# Altium PCB H-00488.PcbDoc (part 6 of 9)
Units mm, origin at the board's own origin, x right, y up, seen from the top; angles counter-clockwise.
Board outline 141.5 x 129 mm, 4 copper layers (Top Layer, Ground Plane, Power Plane, Bottom Layer), stack 1.536 mm thick; 527 components, 572 nets, 2185 pads, 1060 vias.
Unrouted connection lines stored in the file: 97.
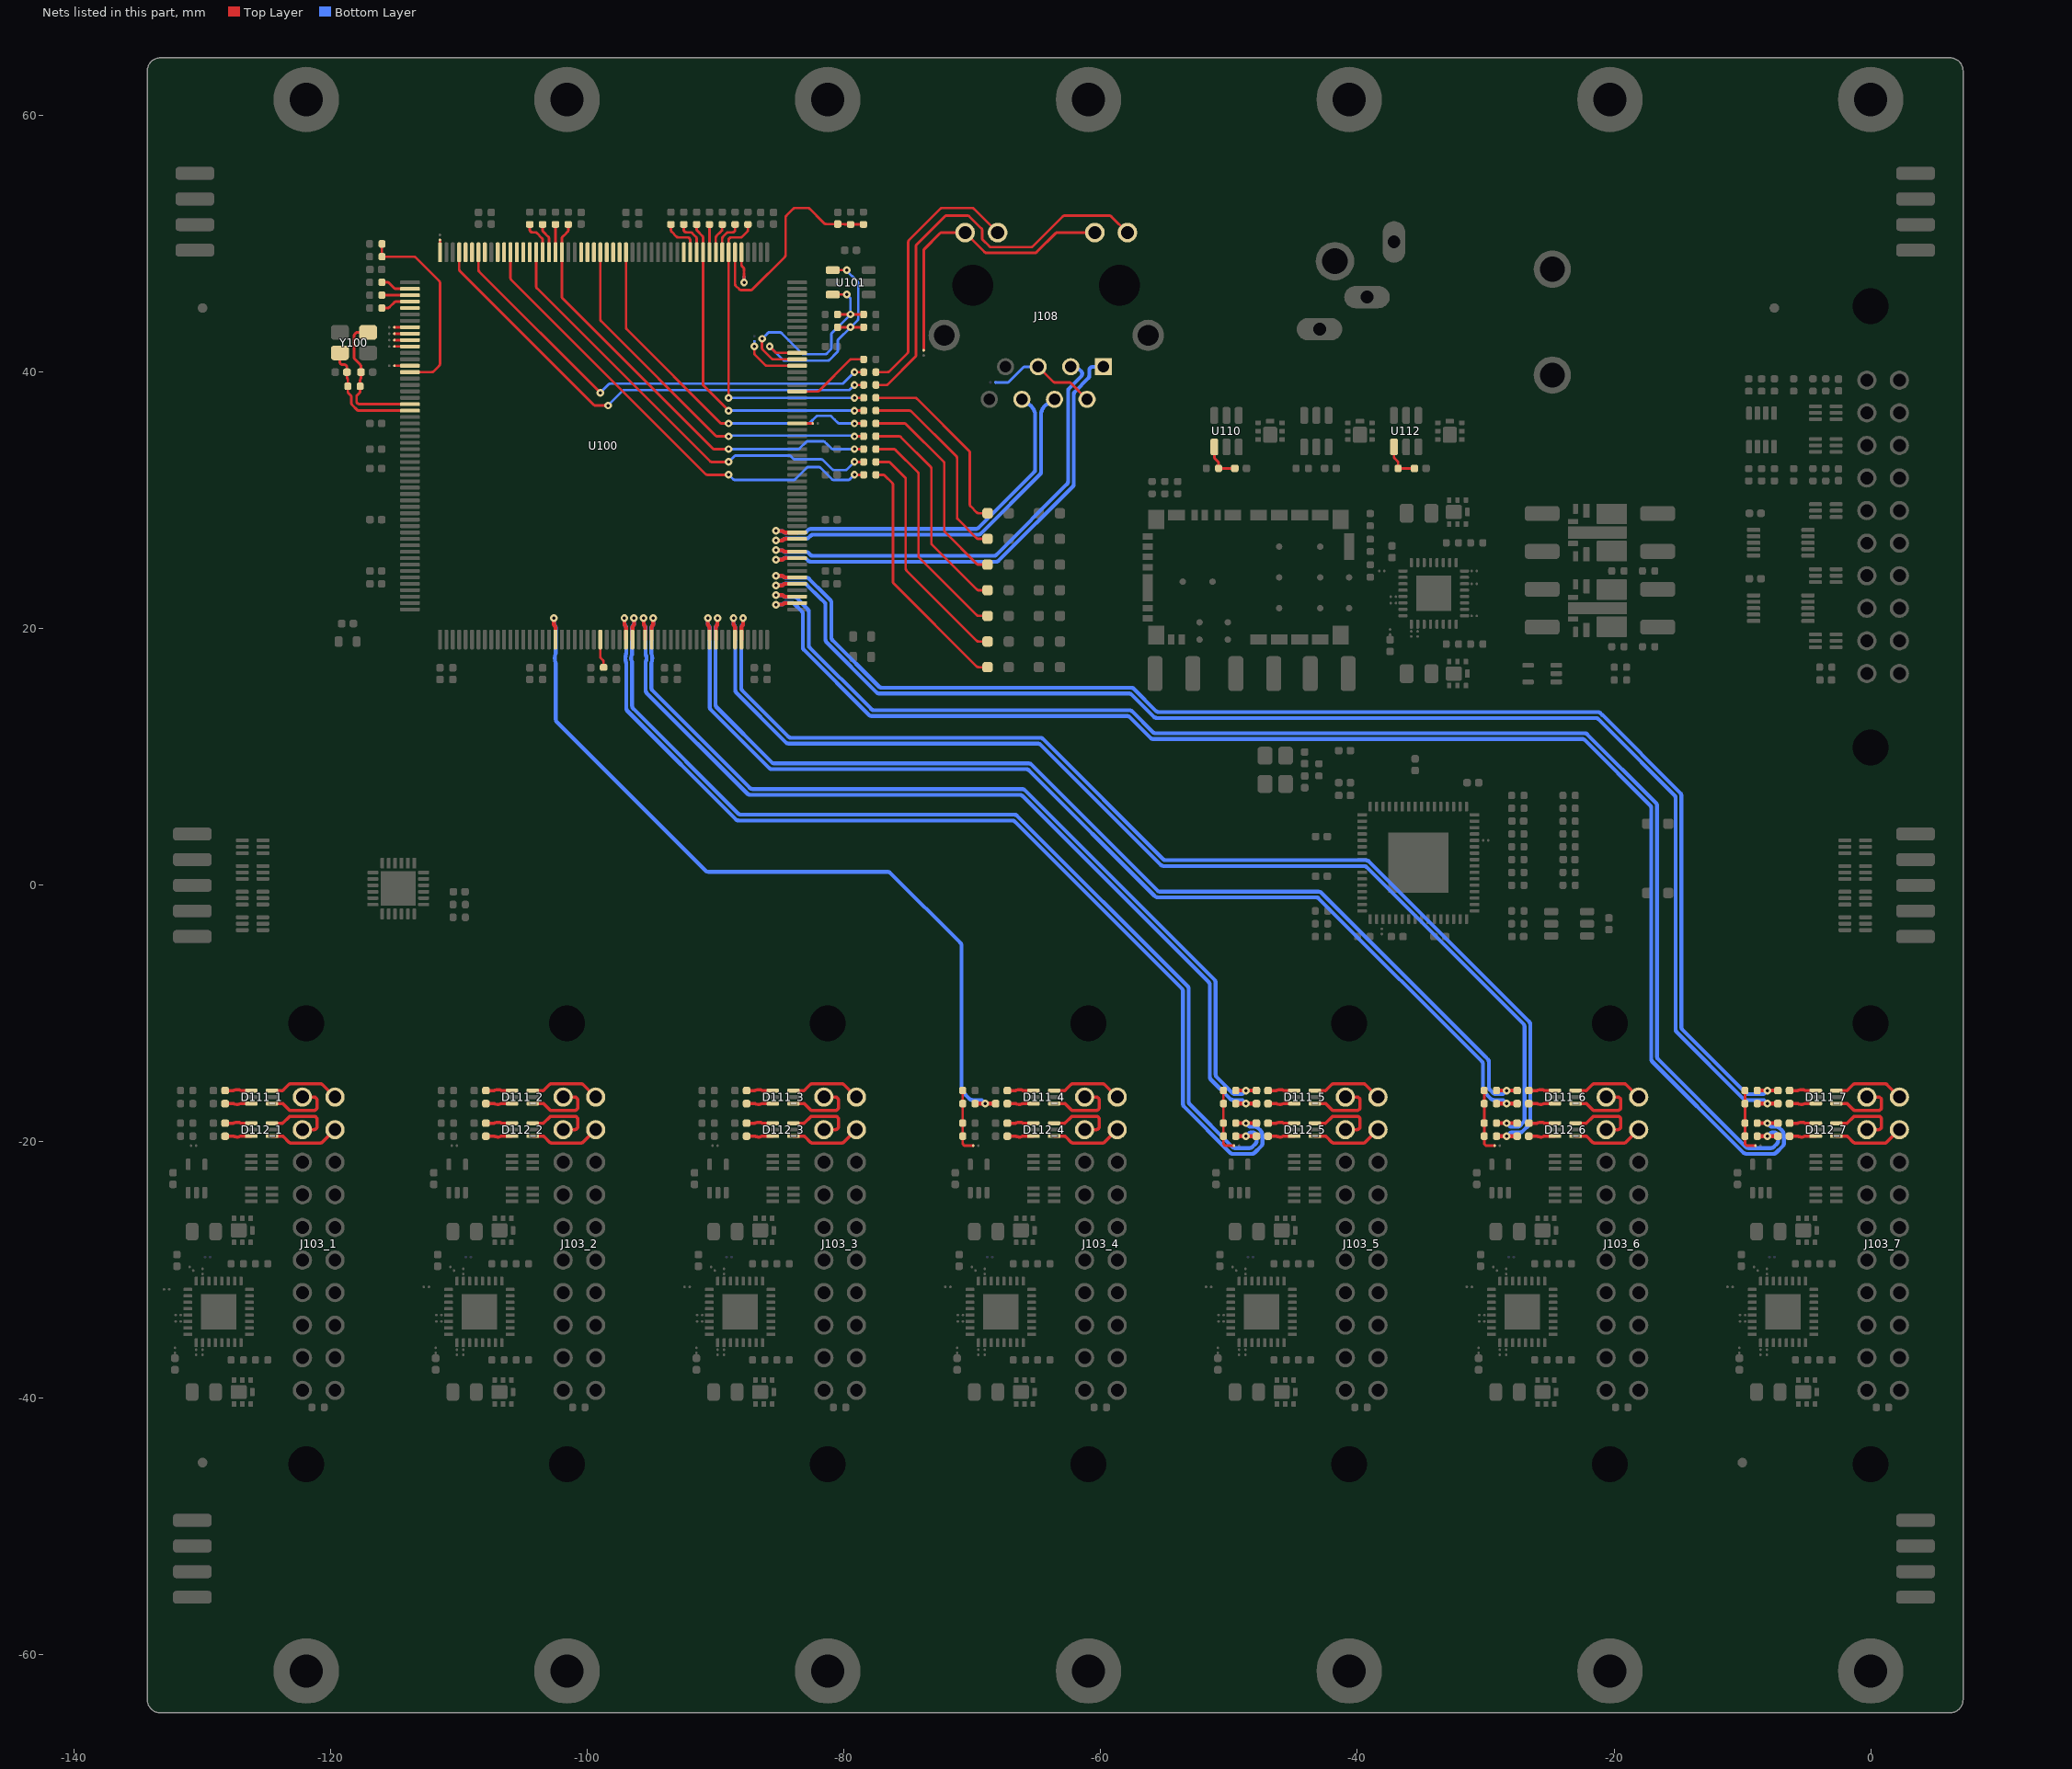
[diagram p8: the nets of this part, all layers, seen from the top]

## Via types
v1: diameter 0.6, hole 0.25, Top Layer to Bottom Layer, 934 vias
v2: diameter 0.7, hole 0.3, Top Layer to Bottom Layer, 112 vias
v3: diameter 1.27, hole 0.711, Top Layer to Bottom Layer, 14 vias

## Nets (pads, with @x,y where several pads share a name; then routed paths per layer and width w, separated by ;. In a path a pad name is that pad's centre, name@x,y a point inside that pad or via, vN(x,y) a via of type N, cw(c..) or ccw(c..) an arc to the next point about the centre after c; other vN are vias at no path point) (continued)
LAN4.TX_P: C135_4.1 R135_4.1 U100.19 | length 63.8
  Top Layer w0.3: v1(-102.625,20.82) -102.625,20.38 ccw(c-102.425,20.379) -102.569,20.24 cw(c-102.749,20.068) -102.5,20.068 U100.19@-102.5,19.16 ; R135_4.1@-69.797,-17.018 v1(-69.007,-17.018) C135_4.1@-68.192,-17.018
  Bottom Layer w0.3: v1(-102.625,20.82) -102.625,20.439 ccw(c-102.325,20.439) -102.561,20.254 -102.539,20.226 cw(c-102.775,20.04) -102.475,20.04 -102.475,18.144 cw(c-102.775,18.144) -102.492,18.045 ccw(c-101.5,17.7) -102.492,17.355 cw(c-102.775,17.256) -102.475,17.256 -102.475,16.5 -102.475,12.938 ccw(c-102.175,12.938) -102.388,12.727 -90.799,1.138 ccw(c-90.587,1.35) -90.587,1.05 -76.611,1.05 cw(c-76.611,0.75) -76.398,0.962 -70.937,-4.499 cw(c-71.149,-4.712) -70.849,-4.712 -70.849,-15.909 ccw(c-70.549,-15.909) -70.761,-16.121 -70.235,-16.647 ccw(c-70.023,-16.435) -70.023,-16.735 -69.414,-16.735 cw(c-69.414,-17.035) -69.202,-16.823 v1(-69.007,-17.018)
LAN4.VDD: NT106.2 R135_4.2 R136_4.2 R137_4.2 R138_4.2 | length 5
  Top Layer w0.2: R136_4.2@-70.757,-16.002 R135_4.2@-70.757,-17.018 -70.757,-20.101 ccw(c-70.557,-20.1) -70.557,-20.3 NT106.2@-69.94,-20.3
LAN5.RX_N: C138_5.1 R138_5.1 U100.31 | length 80.2
  Top Layer w0.3: U100.31@-96.5,19.16 -96.5,20.068 cw(c-96.251,20.068) -96.431,20.24 ccw(c-96.575,20.379) -96.375,20.38 v1(-96.375,20.82) ; R138_5.1@-49.477,-19.558 v1(-48.687,-19.558) C138_5.1@-47.872,-19.558
  Bottom Layer w0.3: v1(-96.375,20.82) -96.375,20.439 cw(c-96.675,20.439) -96.439,20.254 -96.461,20.226 ccw(c-96.225,20.04) -96.525,20.04 -96.525,18.06 cw(c-96.825,18.06) -96.55,17.94 ccw(c-96,17.7) -96.55,17.46 cw(c-96.825,17.34) -96.525,17.34 -96.525,17.18 -96.525,16.5 -96.525,13.986 ccw(c-96.225,13.986) -96.437,13.774 -88.251,5.588 ccw(c-88.039,5.8) -88.039,5.5 -66.724,5.5 cw(c-66.724,5.2) -66.512,5.412 -53.238,-7.862 cw(c-53.45,-8.074) -53.15,-8.074 -53.15,-16.858 ccw(c-52.85,-16.858) -53.062,-17.07 -49.735,-20.397 ccw(c-49.524,-20.185) -49.524,-20.485 -48.405,-20.485 ccw(c-48.405,-20.185) -48.193,-20.397 -47.934,-20.138 ccw(c-48.146,-19.925) -47.846,-19.925 -47.846,-19.576 ccw(c-48.146,-19.575) -48.146,-19.275 -48.28,-19.275 ccw(c-48.28,-19.575) -48.492,-19.363 v1(-48.687,-19.558)
LAN5.RX_P: C137_5.1 R137_5.1 U100.30 | length 82.4
  Top Layer w0.3: v1(-97.125,20.82) -97.125,20.38 ccw(c-96.925,20.379) -97.069,20.24 cw(c-97.249,20.068) -97,20.068 U100.30@-97,19.16 ; R137_5.1@-49.477,-18.542 v1(-48.687,-18.542) C137_5.1@-47.872,-18.542
  Bottom Layer w0.3: v1(-97.125,20.82) -97.125,20.439 ccw(c-96.825,20.439) -97.061,20.254 -97.039,20.226 cw(c-97.275,20.04) -96.975,20.04 -96.975,18.144 cw(c-97.275,18.144) -96.992,18.045 ccw(c-96,17.7) -96.992,17.355 cw(c-97.275,17.256) -96.975,17.256 -96.975,16.5 -96.975,13.799 ccw(c-96.675,13.799) -96.888,13.588 -88.438,5.138 ccw(c-88.226,5.35) -88.226,5.05 -66.911,5.05 cw(c-66.911,4.75) -66.696,4.96 -53.688,-8.049 cw(c-53.9,-8.261) -53.6,-8.261 -53.6,-17.044 ccw(c-53.3,-17.044) -53.513,-17.256 -49.922,-20.847 ccw(c-49.71,-20.635) -49.71,-20.935 -48.219,-20.935 ccw(c-48.219,-20.635) -48.007,-20.847 -47.484,-20.324 ccw(c-47.696,-20.112) -47.396,-20.112 -47.396,-19.561 ccw(c-48.13,-19.559) -48.13,-18.825 -48.28,-18.825 cw(c-48.28,-18.525) -48.491,-18.738 v1(-48.687,-18.542)
LAN5.TX_N: C136_5.1 R136_5.1 U100.34 | length 72.7
  Top Layer w0.3: U100.34@-95,19.16 -95,20.068 cw(c-94.751,20.068) -94.931,20.24 ccw(c-95.075,20.379) -94.875,20.38 v1(-94.875,20.82) ; R136_5.1@-49.477,-16.002 v1(-48.687,-16.002) C136_5.1@-47.872,-16.002
  Bottom Layer w0.3: v1(-94.875,20.82) -94.875,20.439 cw(c-95.175,20.439) -94.939,20.254 -94.961,20.226 ccw(c-94.725,20.04) -95.025,20.04 -95.025,18.144 ccw(c-94.725,18.144) -95.008,18.045 cw(c-96,17.7) -95.008,17.355 ccw(c-94.725,17.256) -95.025,17.256 -95.025,15.386 ccw(c-94.725,15.386) -94.937,15.174 -87.352,7.588 ccw(c-87.139,7.8) -87.139,7.5 -66.124,7.5 cw(c-66.124,7.2) -65.91,7.41 -51.138,-7.362 ; -51.137,-7.363 cw(c-51.35,-7.574) -51.05,-7.574 -51.05,-14.751 ccw(c-50.75,-14.751) -50.963,-14.963 ; -50.962,-14.963 -49.728,-16.197 ccw(c-49.516,-15.985) -49.516,-16.285 -49.094,-16.285 ccw(c-49.094,-15.985) -48.883,-16.198 v1(-48.687,-16.002)
LAN5.TX_P: C135_5.1 R135_5.1 U100.33 | length 73.4
  Top Layer w0.3: v1(-95.625,20.82) -95.625,20.38 ccw(c-95.425,20.379) -95.569,20.24 cw(c-95.749,20.068) -95.5,20.068 U100.33@-95.5,19.16 ; R135_5.1@-49.477,-17.018 v1(-48.687,-17.018) C135_5.1@-47.872,-17.018
  Bottom Layer w0.3: v1(-95.625,20.82) -95.625,20.439 ccw(c-95.325,20.439) -95.561,20.254 -95.539,20.226 cw(c-95.775,20.04) -95.475,20.04 -95.475,18.06 ccw(c-95.175,18.06) -95.45,17.94 cw(c-96,17.7) -95.45,17.46 ccw(c-95.175,17.34) -95.475,17.34 -95.475,17.18 -95.475,16.5 -95.475,15.198 ccw(c-95.175,15.199) -95.388,14.988 -87.538,7.138 ccw(c-87.326,7.35) -87.326,7.05 -66.311,7.05 cw(c-66.311,6.75) -66.098,6.962 cw(c-66.308,6.747) -66.096,6.96 -51.588,-7.549 cw(c-51.8,-7.761) -51.5,-7.761 -51.5,-14.938 ccw(c-51.2,-14.938) -51.413,-15.149 ; -51.412,-15.15 -49.915,-16.647 ccw(c-49.703,-16.435) -49.703,-16.735 -49.094,-16.735 cw(c-49.094,-17.035) -48.882,-16.823 v1(-48.687,-17.018)
LAN5.VDD: NT107.2 R135_5.2 R136_5.2 R137_5.2 R138_5.2 | length 5
  Top Layer w0.2: R136_5.2@-50.437,-16.002 R135_5.2@-50.437,-17.018 R137_5.2@-50.437,-18.542 R138_5.2@-50.437,-19.558 -50.437,-20.101 ccw(c-50.237,-20.1) -50.237,-20.3 NT107.2@-49.62,-20.3
LAN6.RX_N: C138_6.1 R138_6.1 U100.48 | length 91.1
  Top Layer w0.3: U100.48@-88,19.16 -88,20.068 cw(c-87.751,20.068) -87.931,20.24 ccw(c-88.075,20.379) -87.875,20.38 v1(-87.875,20.82) ; R138_6.1@-29.157,-19.558 v1(-28.367,-19.558) C138_6.1@-27.552,-19.558
  Bottom Layer w0.3: v1(-87.875,20.82) -87.875,20.439 cw(c-88.175,20.439) -87.939,20.254 -87.961,20.226 ccw(c-87.725,20.04) -88.025,20.04 -88.025,15.388 ccw(c-87.725,15.388) -87.938,15.176 -84.349,11.588 ccw(c-84.137,11.8) -84.137,11.5 -64.724,11.5 cw(c-64.724,11.2) -64.511,11.411 -55.138,2.038 ccw(c-54.926,2.25) -54.926,1.95 -40.974,1.95 ; -40.974,1.95 -39.373,1.95 cw(c-39.373,1.5) -39.055,1.818 -26.657,-10.58 cw(c-26.976,-10.898) -26.526,-10.898 -26.526,-18.449 cw(c-26.826,-18.449) -26.613,-18.661 -27.139,-19.187 cw(c-27.351,-18.975) -27.351,-19.275 -27.96,-19.275 ccw(c-27.96,-19.575) -28.172,-19.363 v1(-28.367,-19.558)
LAN6.RX_P: C137_6.1 R137_6.1 U100.47 | length 90.4
  Top Layer w0.3: v1(-88.625,20.82) -88.625,20.38 ccw(c-88.425,20.379) -88.569,20.24 cw(c-88.749,20.068) -88.5,20.068 U100.47@-88.5,19.16 ; R137_6.1@-29.157,-18.542 v1(-28.367,-18.542) C137_6.1@-27.552,-18.542
  Bottom Layer w0.3: v1(-88.625,20.82) -88.625,20.439 ccw(c-88.325,20.439) -88.561,20.254 -88.539,20.226 cw(c-88.775,20.04) -88.475,20.04 -88.475,15.201 ccw(c-88.175,15.201) -88.388,14.99 -84.536,11.138 ccw(c-84.324,11.35) -84.324,11.05 -64.911,11.05 cw(c-64.911,10.75) -64.698,10.961 -55.368,1.632 ccw(c-55.05,1.95) -55.05,1.5 -39.497,1.5 cw(c-39.497,1.2) -39.285,1.412 -27.064,-10.809 cw(c-27.276,-11.022) -26.976,-11.022 -26.976,-18.263 cw(c-27.276,-18.263) -27.063,-18.475 -27.326,-18.737 cw(c-27.538,-18.525) -27.538,-18.825 -27.96,-18.825 cw(c-27.96,-18.525) -28.171,-18.738 v1(-28.367,-18.542)
LAN6.TX_N: C136_6.1 R136_6.1 U100.44 | length 85.7
  Top Layer w0.3: U100.44@-90,19.16 -90,20.068 cw(c-89.751,20.068) -89.931,20.24 ccw(c-90.075,20.379) -89.875,20.38 v1(-89.875,20.82) ; R136_6.1@-29.157,-16.002 v1(-28.367,-16.002) C136_6.1@-27.552,-16.002
  Bottom Layer w0.3: v1(-89.875,20.82) -89.875,20.439 cw(c-90.175,20.439) -89.939,20.254 -89.961,20.226 ccw(c-89.725,20.04) -90.025,20.04 -90.025,14.086 ccw(c-89.725,14.086) -89.938,13.874 -85.651,9.588 ccw(c-85.439,9.8) -85.439,9.5 -65.624,9.5 cw(c-65.624,9.2) -65.411,9.411 -55.588,-0.412 ccw(c-55.376,-0.2) -55.376,-0.5 -43.024,-0.5 cw(c-43.024,-0.8) -42.81,-0.59 -29.979,-13.421 cw(c-30.509,-13.952) -29.977,-13.423 -29.849,-13.551 cw(c-30.06,-13.764) -29.847,-13.553 cw(c-30.059,-13.766) -29.759,-13.766 -29.759,-15.723 ccw(c-29.459,-15.723) -29.671,-15.935 -29.408,-16.197 ccw(c-29.196,-15.985) -29.196,-16.285 -28.774,-16.285 ccw(c-28.774,-15.985) -28.563,-16.198 v1(-28.367,-16.002)
LAN6.TX_P: C135_6.1 R135_6.1 U100.43 | length 86.4
  Top Layer w0.3: v1(-90.625,20.82) -90.625,20.38 ccw(c-90.425,20.379) -90.569,20.24 cw(c-90.749,20.068) -90.5,20.068 U100.43@-90.5,19.16 ; R135_6.1@-29.157,-17.018 v1(-28.367,-17.018) C135_6.1@-27.552,-17.018
  Bottom Layer w0.3: v1(-90.625,20.82) -90.625,20.439 ccw(c-90.325,20.439) -90.561,20.254 -90.539,20.226 cw(c-90.775,20.04) -90.475,20.04 -90.475,13.899 ccw(c-90.175,13.899) -90.388,13.688 -85.838,9.138 ccw(c-85.626,9.35) -85.626,9.05 -65.811,9.05 cw(c-65.811,8.75) -65.598,8.961 -55.818,-0.818 ccw(c-55.5,-0.5) -55.5,-0.95 -43.211,-0.95 cw(c-43.211,-1.25) -42.998,-1.038 -30.297,-13.739 cw(c-30.509,-13.952) -30.209,-13.952 -30.209,-15.909 ccw(c-29.909,-15.909) -30.121,-16.121 -29.595,-16.647 ccw(c-29.383,-16.435) -29.383,-16.735 -28.774,-16.735 cw(c-28.774,-17.035) -28.562,-16.823 v1(-28.367,-17.018)
LAN6.VDD: NT108.2 R135_6.2 R136_6.2 R137_6.2 R138_6.2 | length 5
  Top Layer w0.2: R136_6.2@-30.117,-16.002 R135_6.2@-30.117,-17.018 -30.117,-20.101 ccw(c-29.917,-20.1) -29.917,-20.3 NT108.2@-29.3,-20.3
LAN7.RX_N: C138_7.1 R138_7.1 U100.55 | length 114.1
  Top Layer w0.3: v1(-85.32,22.625) -84.88,22.625 cw(c-84.879,22.425) -84.74,22.569 ccw(c-84.568,22.749) -84.568,22.5 U100.55@-83.66,22.5 ; R138_7.1@-8.837,-19.558 v1(-8.047,-19.558) C138_7.1@-7.232,-19.558
  Bottom Layer w0.3: v1(-85.32,22.625) -84.939,22.625 cw(c-84.939,22.325) -84.754,22.561 -84.726,22.539 ccw(c-84.54,22.775) -84.54,22.475 -83.902,22.475 cw(c-83.902,22.175) -83.689,22.386 -82.98,21.677 cw(c-83.509,21.146) -82.978,21.675 -82.848,21.545 cw(c-83.059,21.332) -82.759,21.332 -82.759,18.728 ccw(c-82.459,18.73) -82.673,18.519 -77.89,13.737 ccw(c-77.679,13.95) -77.681,13.65 -57.774,13.65 cw(c-57.774,13.35) -57.562,13.562 -55.94,11.94 ccw(c-55.729,12.153) -55.73,11.853 -22.295,11.853 cw(c-22.295,11.553) -22.082,11.764 -22.039,11.72 -16.738,6.42 cw(c-16.95,6.208) -16.65,6.208 -16.65,-13.355 ccw(c-16.35,-13.355) -16.562,-13.567 -9.731,-20.398 ccw(c-9.52,-20.185) -9.521,-20.485 -7.765,-20.485 ccw(c-7.765,-20.185) -7.553,-20.397 -7.294,-20.138 ccw(c-7.506,-19.925) -7.206,-19.925 -7.206,-19.576 ccw(c-7.506,-19.575) -7.506,-19.275 -7.64,-19.275 ccw(c-7.64,-19.575) -7.852,-19.363 v1(-8.047,-19.558)
LAN7.RX_P: C137_7.1 R137_7.1 U100.54 | length 115.6
  Top Layer w0.3: v1(-85.32,21.875) -84.88,21.875 ccw(c-84.879,22.075) -84.74,21.931 cw(c-84.568,21.751) -84.568,22 U100.54@-83.66,22 ; R137_7.1@-8.837,-18.542 v1(-8.047,-18.542) C137_7.1@-7.232,-18.542
  Bottom Layer w0.3: v1(-85.32,21.875) -84.939,21.875 ccw(c-84.939,22.175) -84.754,21.939 -84.726,21.961 cw(c-84.54,21.725) -84.54,22.025 -84.089,22.025 cw(c-84.089,21.725) -83.876,21.936 -83.298,21.358 cw(c-83.509,21.146) -83.209,21.146 -83.209,18.544 ccw(c-82.909,18.544) -83.122,18.332 -78.077,13.287 ccw(c-77.866,13.5) -77.867,13.2 -57.961,13.2 cw(c-57.961,12.9) -57.747,13.11 -56.127,11.491 ccw(c-55.915,11.703) -55.915,11.403 -22.482,11.403 cw(c-22.482,11.103) -22.269,11.314 -17.188,6.233 cw(c-17.4,6.021) -17.1,6.021 -17.1,-13.541 ccw(c-16.8,-13.541) -17.012,-13.753 -9.962,-20.803 ccw(c-9.644,-20.485) -9.644,-20.935 -7.579,-20.935 ccw(c-7.579,-20.635) -7.367,-20.847 -6.844,-20.324 ccw(c-7.056,-20.112) -6.756,-20.112 -6.756,-19.561 ccw(c-7.49,-19.559) -7.49,-18.825 -7.64,-18.825 cw(c-7.64,-18.525) -7.851,-18.738 v1(-8.047,-18.542)
LAN7.TX_N: C136_7.1 R136_7.1 U100.58 | length 109.7
  Top Layer w0.3: v1(-85.32,24.125) -84.88,24.125 cw(c-84.879,23.925) -84.74,24.069 ccw(c-84.568,24.249) -84.568,24 U100.58@-83.66,24 ; R136_7.1@-8.837,-16.002 v1(-8.047,-16.002) C136_7.1@-7.232,-16.002
  Bottom Layer w0.3: v1(-85.32,24.125) -84.939,24.125 cw(c-84.939,23.825) -84.754,24.061 -84.726,24.039 ccw(c-84.54,24.275) -84.54,23.975 -82.943,23.975 cw(c-82.943,23.675) -82.73,23.886 -82.601,23.756 cw(c-83.13,23.225) -82.598,23.754 -81.654,22.81 -81.088,22.244 cw(c-81.3,22.032) -81,22.032 -81,19.324 ccw(c-80.7,19.324) -80.913,19.113 -77.287,15.487 ccw(c-77.076,15.7) -77.077,15.4 -57.624,15.4 cw(c-57.624,15.1) -57.411,15.311 -55.681,13.581 ccw(c-55.47,13.794) -55.472,13.494 -21.255,13.494 cw(c-21.255,13.194) -21.042,13.405 -20.912,13.276 -20.91,13.273 -14.838,7.201 cw(c-15.05,6.989) -14.75,6.989 -14.75,-11.048 ccw(c-14.45,-11.048) -14.662,-11.26 -10.255,-15.667 -9.724,-16.198 ccw(c-9.513,-15.985) -9.514,-16.285 -8.454,-16.285 ccw(c-8.454,-15.985) -8.243,-16.198 v1(-8.047,-16.002)
LAN7.TX_P: C135_7.1 R135_7.1 U100.57 | length 109.7
  Top Layer w0.3: v1(-85.32,23.375) -84.88,23.375 ccw(c-84.879,23.575) -84.74,23.431 cw(c-84.568,23.251) -84.568,23.5 U100.57@-83.66,23.5 ; R135_7.1@-8.837,-17.018 v1(-8.047,-17.018) C135_7.1@-7.232,-17.018
  Bottom Layer w0.3: v1(-85.32,23.375) -84.939,23.375 ccw(c-84.939,23.675) -84.754,23.439 -84.726,23.461 cw(c-84.54,23.225) -84.54,23.525 -83.13,23.525 cw(c-83.13,23.225) -82.917,23.436 -81.84,22.36 -81.538,22.057 cw(c-81.75,21.845) -81.45,21.845 -81.45,19.138 ccw(c-81.15,19.138) -81.363,18.926 -77.473,15.037 ccw(c-77.262,15.25) -77.263,14.95 -57.811,14.95 cw(c-57.811,14.65) -57.597,14.861 -55.869,13.132 ccw(c-55.656,13.344) -55.658,13.044 -21.441,13.044 cw(c-21.441,12.744) -21.228,12.955 -20.472,12.199 -15.288,7.015 cw(c-15.5,6.803) -15.2,6.803 -15.2,-11.234 ccw(c-14.9,-11.234) -15.113,-11.445 ; -15.112,-11.446 -9.955,-16.603 ccw(c-9.637,-16.285) -9.637,-16.735 -9.064,-16.735 ccw(c-9.063,-16.435) -9.063,-16.735 -8.454,-16.735 cw(c-8.454,-17.035) -8.242,-16.823 v1(-8.047,-17.018)
LAN7.VDD: NT110.2 R135_7.2 R136_7.2 R137_7.2 R138_7.2 | length 5
  Top Layer w0.2: R136_7.2@-9.797,-16.002 R137_7.2@-9.797,-18.542 R138_7.2@-9.797,-19.558 -9.797,-20.101 ccw(c-9.597,-20.1) -9.597,-20.3 NT110.2@-8.98,-20.3
LAN8.ACT: J108.11 R124.1 | length 20.6
  Top Layer w0.2: R124.1@-77.52,40 -76.624,40 ccw(c-76.624,40.2) -76.482,40.059 -75.059,41.482 ccw(c-75.2,41.624) -75,41.624 -75,50.158 cw(c-74.8,50.158) -74.941,50.3 -72.5,52.741 cw(c-72.358,52.6) -72.358,52.8 -70.038,52.8 cw(c-70.038,52.6) -69.897,52.741 J108.11@-68.035,50.88
LAN8.RX_N: J108.6 U100.65 | length 30
  Top Layer w0.3: v1(-85.32,27.625) -84.88,27.625 cw(c-84.879,27.425) -84.74,27.569 ccw(c-84.568,27.749) -84.568,27.5 U100.65@-83.66,27.5
  Bottom Layer w0.3: v1(-85.32,27.625) -84.939,27.625 cw(c-84.939,27.325) -84.754,27.561 -84.726,27.539 ccw(c-84.54,27.775) -84.54,27.475 -83.149,27.475 ccw(c-83.149,27.775) -82.936,27.563 -82.813,27.686 cw(c-82.6,27.475) -82.6,27.775 -69.749,27.775 ccw(c-69.749,28.075) -69.538,27.862 -65.197,32.203 ccw(c-65.41,32.414) -65.11,32.413 ; J108.6@-66.15,37.88 ccw(c-65.852,37.916) -65.921,37.624 cw(c-66.149,36.61) -65.11,36.61 -65.11,32.414
LAN8.RX_P: J108.4 U100.64 | length 30.7
  Top Layer w0.3: v1(-85.32,26.875) -84.88,26.875 ccw(c-84.879,27.075) -84.74,26.931 cw(c-84.568,26.751) -84.568,27 U100.64@-83.66,27
  Bottom Layer w0.3: v1(-85.32,26.875) -84.939,26.875 ccw(c-84.939,27.175) -84.754,26.939 -84.726,26.961 cw(c-84.54,26.725) -84.54,27.025 -82.962,27.025 ccw(c-82.962,27.325) -82.75,27.113 -82.626,27.236 cw(c-82.414,27.025) -82.414,27.325 -69.563,27.325 ccw(c-69.563,27.625) -69.351,27.412 -64.747,32.017 ccw(c-64.96,32.228) -64.66,32.228 -64.66,36.64 cw(c-63.61,36.64) -63.834,37.666 ccw(c-63.9,37.959) J108.4@-63.61,37.88
LAN8.SPEED: J108.9 R127.1 | length 33.1
  Top Layer w0.2: R127.1@-77.52,39 -76.729,39 ccw(c-76.729,39.2) -76.587,39.059 -74.466,41.18 ccw(c-74.607,41.322) -74.407,41.322 -74.407,49.81 cw(c-74.207,49.81) -74.348,49.952 -72.159,52.141 cw(c-72.017,52) -72.017,52.2 -70.383,52.2 cw(c-70.383,52) -70.241,52.141 -69.301,51.2 cw(c-69.441,51.058) -69.241,51.059 ; -69.241,51.058 -69.241,50.443 ccw(c-69.041,50.445) -69.184,50.304 -68.681,49.801 ccw(c-68.539,49.942) -68.539,49.742 -65.44,49.742 ccw(c-65.44,49.942) -65.299,49.801 -62.959,52.141 cw(c-62.817,52) -62.817,52.2 -59.328,52.2 cw(c-59.328,52) -59.186,52.141 J108.9@-57.925,50.88
LAN8.TX_N: J108.3 U100.62 | length 37
  Top Layer w0.3: v1(-85.32,26.125) -84.88,26.125 cw(c-84.879,25.925) -84.74,26.069 ccw(c-84.568,26.249) -84.568,26 U100.62@-83.66,26
  Bottom Layer w0.3: v1(-85.32,26.125) -84.939,26.125 cw(c-84.939,25.825) -84.754,26.061 -84.726,26.039 ccw(c-84.54,26.275) -84.54,25.975 -82.962,25.975 cw(c-82.962,25.675) -82.75,25.887 -82.626,25.764 ccw(c-82.414,25.975) -82.414,25.675 -80.464,25.675 -68.349,25.675 ccw(c-68.349,25.975) -68.138,25.762 -62.638,31.262 ccw(c-62.85,31.474) -62.55,31.474 -62.55,38.526 cw(c-62.25,38.526) -62.462,38.738 -61.534,39.666 ccw(c-61.747,39.877) -61.535,40.089 ccw(c-62.34,39.277) J108.3@-62.34,40.42
LAN8.TX_P: J108.1 U100.61 | length 38.2
  Top Layer w0.3: v1(-85.32,25.375) -84.88,25.375 ccw(c-84.879,25.575) -84.74,25.431 cw(c-84.568,25.251) -84.568,25.5 U100.61@-83.66,25.5
  Bottom Layer w0.3: v1(-85.32,25.375) -84.939,25.375 ccw(c-84.939,25.675) -84.754,25.439 -84.726,25.461 cw(c-84.54,25.225) -84.54,25.525 -83.149,25.525 cw(c-83.149,25.225) -82.936,25.437 -82.813,25.314 ccw(c-82.6,25.525) -82.6,25.225 -80.464,25.225 -68.163,25.225 ccw(c-68.163,25.525) -67.951,25.312 -62.188,31.076 ccw(c-62.4,31.288) -62.1,31.288 -62.1,38.277 cw(c-61.8,38.276) -62.013,38.487 -60.987,39.513 ccw(c-61.2,39.724) -60.9,39.724 -60.9,40.12 cw(c-60.6,40.12) -60.6,40.42 -59.94,40.42 J108.1@-59.8,40.42
LAN8.VDD: J108.2 J108.5 NT112.2 | length 8.7
  Top Layer w0.2: J108.5@-64.88,40.42 -63.719,39.259 ccw(c-63.577,39.4) -63.577,39.2 -62.473,39.2 cw(c-62.473,39) -62.331,39.141 J108.2@-61.07,37.88
  Bottom Layer w0.2: NT112.2@-68.2,39.2 -67.283,39.2 ccw(c-67.283,39.4) -67.142,39.258 -66.038,40.362 cw(c-65.897,40.22) -65.897,40.42 J108.5@-64.88,40.42
LAN8.VDDIO: J108.10 J108.12 NT113.2 | length 23
  Top Layer w0.2: NT113.2@-73.8,41.7 -73.8,49.463 cw(c-73.6,49.463) -73.741,49.604 -72.525,50.821 ; -72.524,50.821 cw(c-72.383,50.68) -72.383,50.88 J108.12@-70.575,50.88 ; J108.12@-70.575,50.765 -70.46,50.765 -69.054,49.359 ccw(c-68.912,49.5) -68.912,49.3 -65.131,49.3 ccw(c-65.131,49.5) -64.99,49.359 -63.528,50.821 cw(c-63.386,50.68) -63.387,50.88 ; -63.386,50.88 J108.10@-60.465,50.88
LAN_ACT_R1: D100.C R102.1 | length 14.8
  Top Layer w0.2: R102.1@-77.52,38 -74.483,38 cw(c-74.483,37.8) -74.341,37.941 -70.259,33.859 cw(c-70.4,33.717) -70.2,33.718 ; -70.2,33.717 -70.2,29.683 ccw(c-70,29.683) -70.141,29.541 -69.659,29.059 ccw(c-69.517,29.2) -69.517,29 D100.C@-68.825,29
LAN_ACT_R2: D101.C R105.1 | length 15.6
  Top Layer w0.2: R105.1@-77.52,37 -74.897,37 cw(c-74.897,36.8) -74.755,36.941 cw(c-74.896,36.799) -74.754,36.939 -71.261,33.447 cw(c-71.402,33.305) -71.259,33.445 cw(c-71.4,33.303) -71.2,33.304 ; -71.2,33.303 -71.2,28.683 ccw(c-71,28.683) -71.141,28.541 -69.659,27.059 ccw(c-69.517,27.2) -69.517,27 D101.C@-68.825,27
LAN_ACT_R3: D102.C R106.1 | length 16.4
  Top Layer w0.2: R106.1@-77.52,36 -75.311,36 cw(c-75.311,35.8) -75.169,35.941 cw(c-75.31,35.799) -75.168,35.939 -72.261,33.032 cw(c-72.402,32.89) -72.259,33.031 cw(c-72.4,32.889) -72.2,32.89 -72.2,27.683 ccw(c-72,27.683) -72.141,27.541 -69.659,25.059 ccw(c-69.517,25.2) -69.517,25 D102.C@-68.825,25
LAN_ACT_R4: D103.C R107.1 | length 17.1
  Top Layer w0.2: R107.1@-77.52,35 -75.726,35 cw(c-75.726,34.8) -75.583,34.941 cw(c-75.724,34.799) -75.582,34.939 -73.261,32.618 cw(c-73.402,32.476) -73.259,32.617 cw(c-73.4,32.475) -73.2,32.476 -73.2,26.683 ccw(c-73,26.683) -73.141,26.541 -69.659,23.059 ccw(c-69.517,23.2) -69.517,23 D103.C@-68.825,23
LAN_ACT_R5: D104.C R108.1 | length 17.9
  Top Layer w0.2: R108.1@-77.52,34 -76.14,34 cw(c-76.14,33.8) -75.997,33.941 cw(c-76.138,33.799) -75.996,33.939 -74.261,32.204 cw(c-74.402,32.062) -74.259,32.202 cw(c-74.4,32.06) -74.2,32.061 ; -74.2,32.06 -74.2,25.683 ccw(c-74,25.683) -74.141,25.541 -69.659,21.059 ccw(c-69.517,21.2) -69.517,21 D104.C@-68.825,21